# Altium PCB STM32CoreBoard_排针+电源+按键+简牛+LED+OLED+GND_06.PcbDoc
Units mil, origin at the board's own origin, x right, y up, seen from the top; angles counter-clockwise.
Board outline 2320 x 4290 mil, 2 copper layers (Top Layer, Bottom Layer); 64 components, 64 nets, 276 pads, 80 vias.
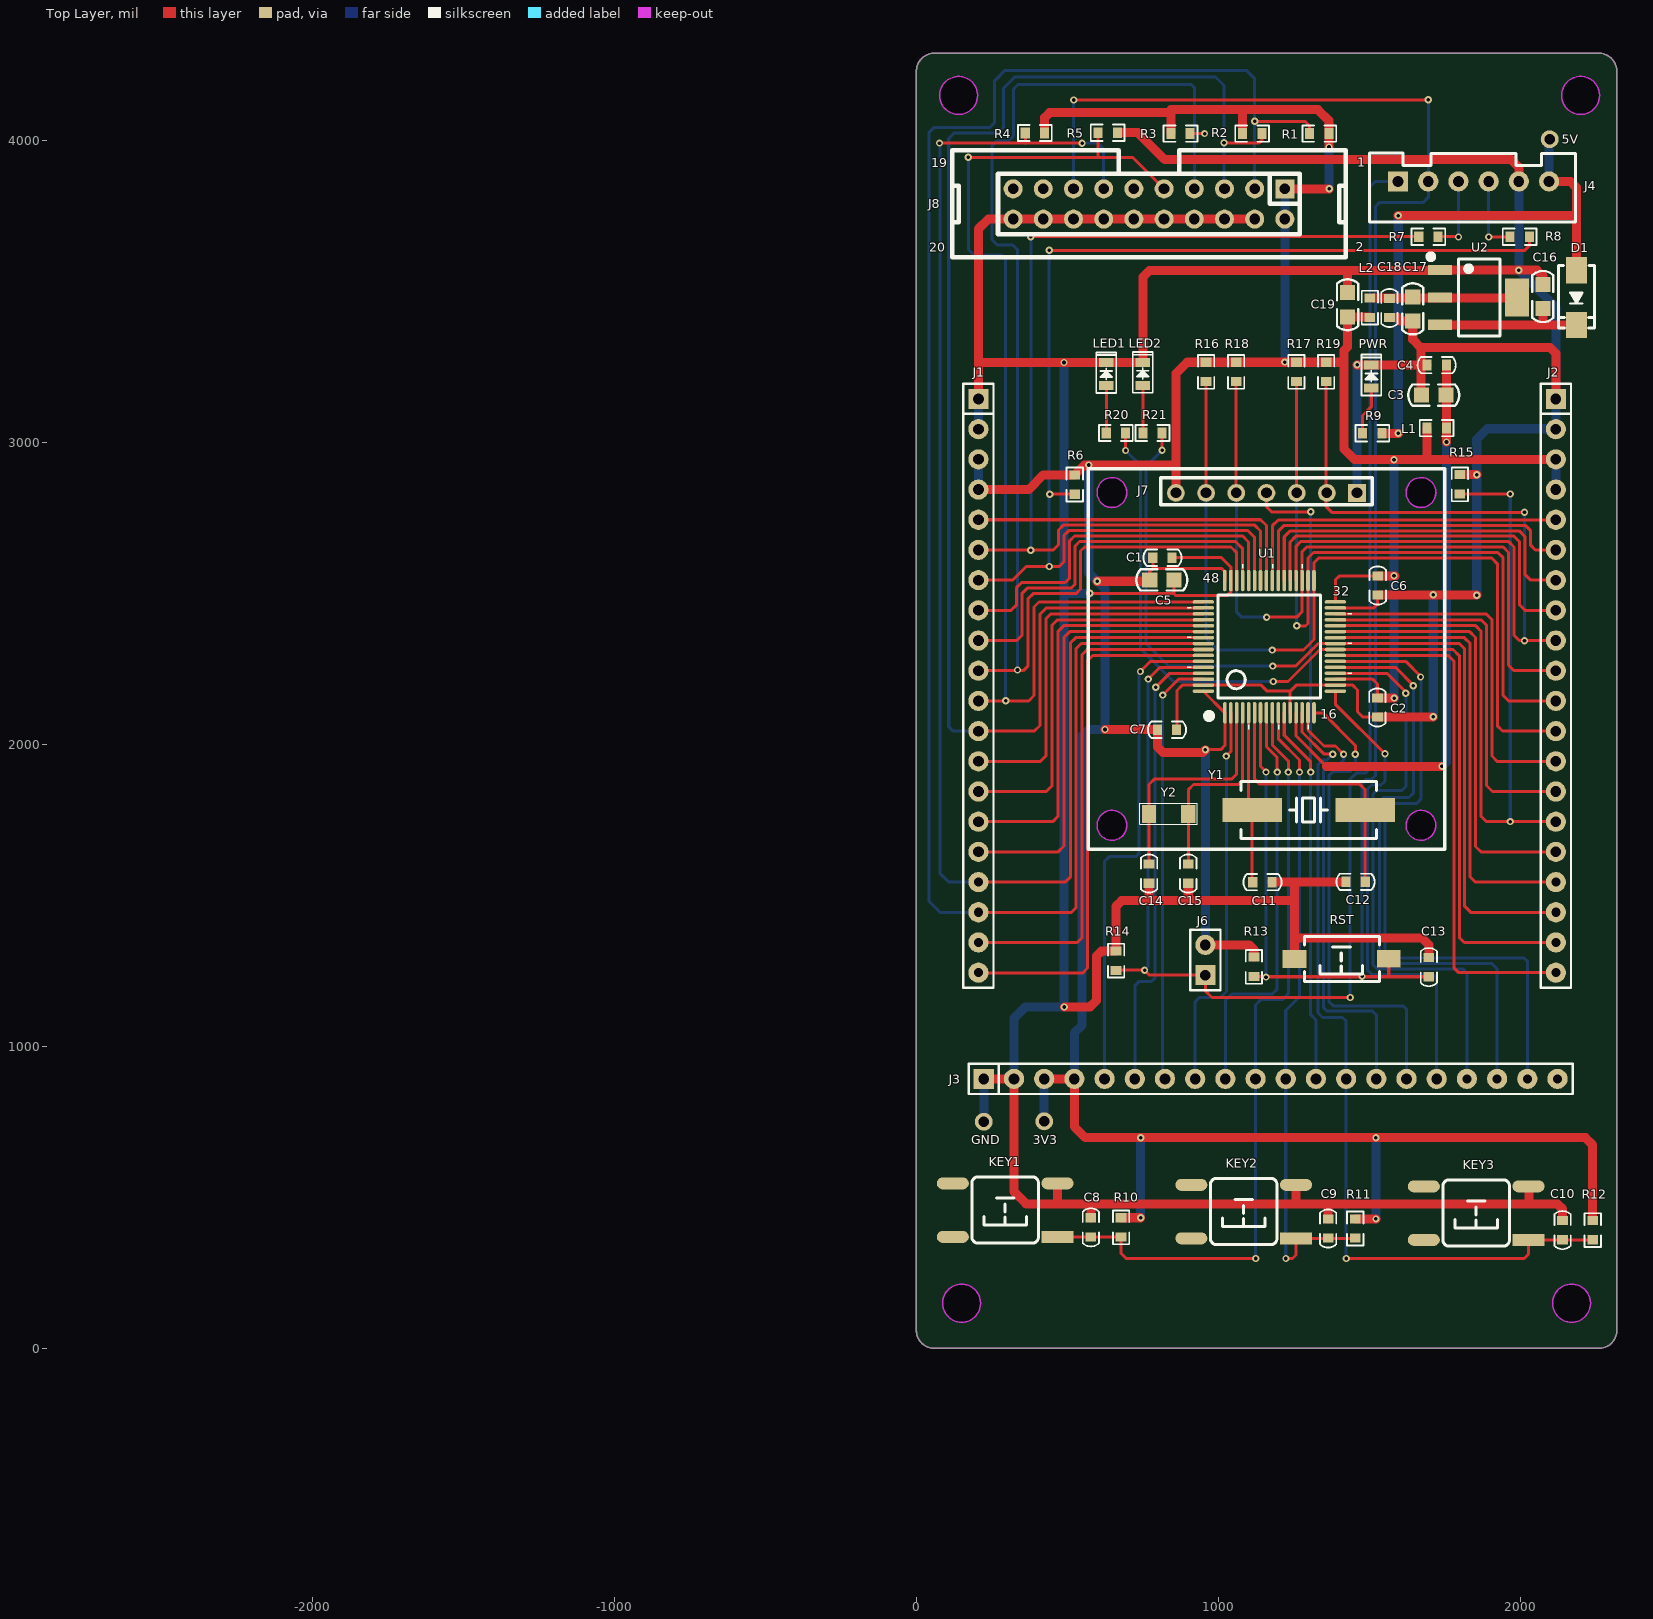
[diagram p0: Top Layer view]
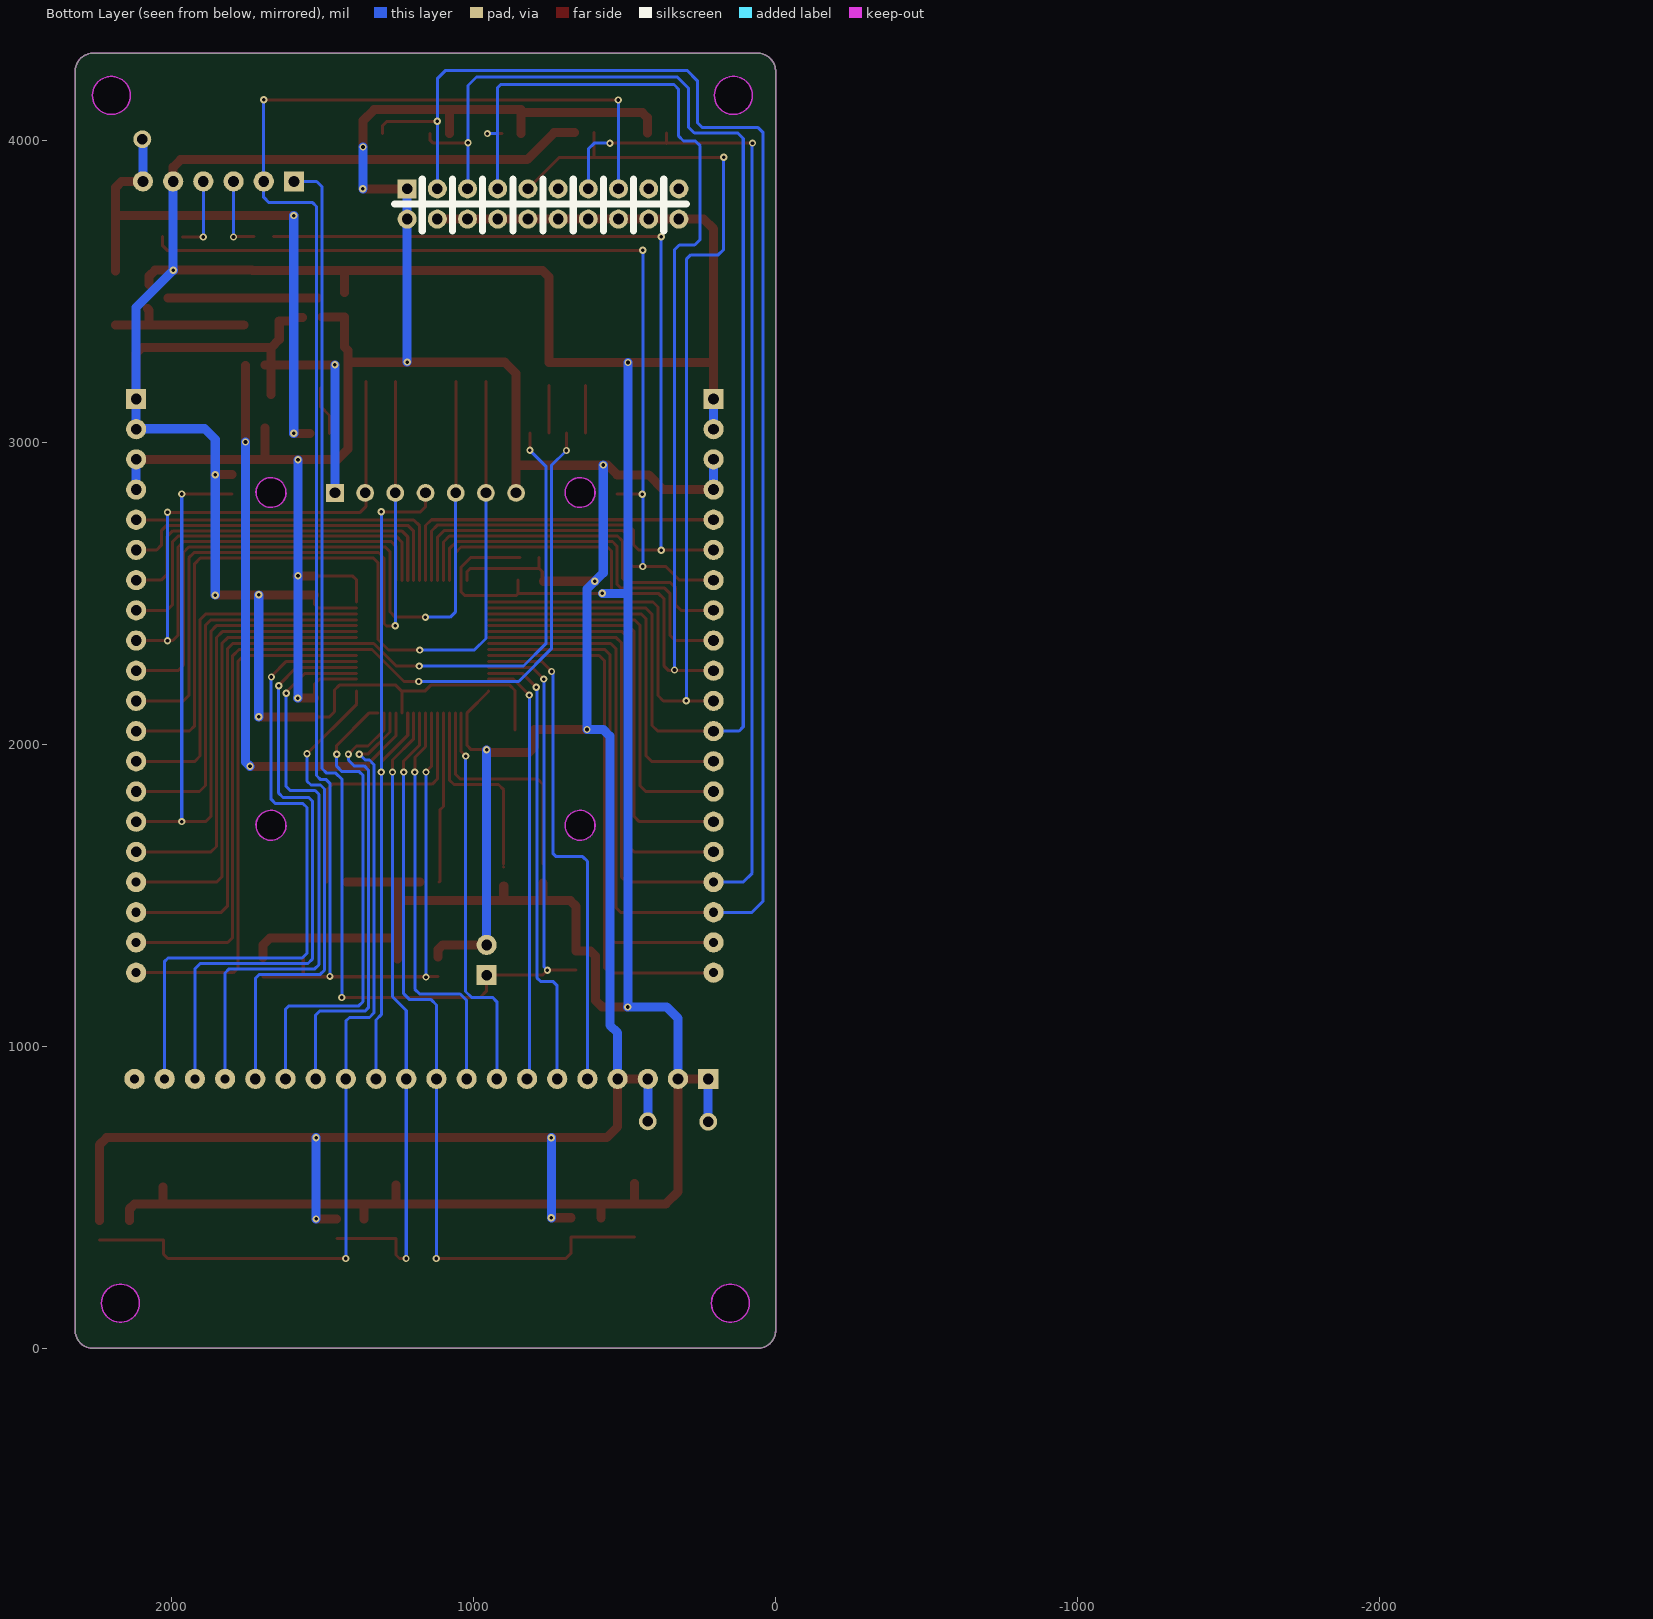
[diagram p1: Bottom Layer view, seen from below]

## Layer stack, top to bottom
Top Solder: solder mask 0.4, Solder Resist, Dk 3.5
Top Layer: signal copper 1.4
Dielectric1: dielectric 12.6, FR-4, Dk 4.8
Bottom Layer: signal copper 1.4
Bottom Solder: solder mask 0.4, Solder Resist, Dk 3.5

## Board outline
0,60 ccw(c59.87,60) 59.87,0.13 59.87,0 2260,0 ccw(c2260,59.87) 2319.87,59.87 2319.87,4230 2320,4230 ccw(c2260.13,4230) 2260.13,4289.87 2260,4290 60,4290 ccw(c60,4230.13) 0.13,4230.13 0,4230.13
cut-out: 87.01,150 ccw(c150,150) 150,87.01 ccw(c150,150) 212.99,150 ccw(c150,150) 150,212.99 ccw(c150,150)
cut-out: 2107.01,150 ccw(c2170,150) 2170,87.01 ccw(c2170,150) 2232.99,150 ccw(c2170,150) 2170,212.99 ccw(c2170,150)
cut-out: 2137.01,4150 ccw(c2200,4150) 2200,4087.01 ccw(c2200,4150) 2262.99,4150 ccw(c2200,4150) 2200,4212.99 ccw(c2200,4150)
cut-out: 140,4087.01 cw(c140,4150) 77.01,4150 cw(c140,4150) 140,4212.99 cw(c140,4150) 202.99,4150 cw(c140,4150)

## Design rules (kind name [scope] priority, off if disabled: settings)
Clearance Clearance_Inpoly [(inpoly)] p1: gap=20
Clearance Clearance_U1 [InComponent('U1')] p2: gap=6
Clearance Clearance_General [All] p3: gap=8
MinimumSolderMaskSliver [All] p1 off: minsoldermaskwidth=10
PolygonConnect [All] p1: connectstyle=Relief reliefconductorwidth=10 reliefentries=4 polygonreliefangle="90 Angle" airgapwidth=10
RoutingVias [All] p1: holewidth=12 width=24 viastyle="Through Hole" minholewidth=12 minwidth=24 maxholewidth=15 maxwidth=30
SilkToSilkClearance [All] p1 off: silktosilkclearance=10
SilkToSolderMaskClearance [IsPad] p1 off: minsilkscreentomaskgap=10 clearancetoexposedcopper=TRUE
SolderMaskExpansion [All] p1: expansion=4
Width [All] p1: maxlimit=30 minlimit=10 preferedwidth=10
27 further rules are at their usual default settings.

## Components (designator, comment, footprint, x,y, rotation, side; value= is the part's Value field where it differs from the comment)
3V3 "TESTPOINT_0.9" TESTPOINT_0.9 423.43,752.17 r90 top
5V "TESTPOINT_0.9" TESTPOINT_0.9 2097.44,4004.92 r90 top
C1 "100nF (104) ±10% 50V SMD0603" "C 0603" 815,2619 r0 top
C2 "100nF (104) ±10% 50V SMD0603" "C 0603" 1527,2123 r270 top
C3 "22uF (226) ±20% 25V SMD0805" "C 0805" 1713.58,3157.48 r180 top
C4 "100nF (104) ±10% 50V SMD0603" "C 0603" 1723.43,3256.89 r180 top
C5 "22uF (226) ±20% 25V SMD0805" "C 0805" 812.99,2545.28 r0 top
C6 "100nF (104) ±10% 50V SMD0603" "C 0603" 1528,2527 r270 top
C7 "100nF (104) ±10% 50V SMD0603" "C 0603" 830,2049 r0 top
C8 "100nF (104) ±10% 50V SMD0603" "C 0603" 578.03,400.98 r90 top
C9 "100nF (104) ±10% 50V SMD0603" "C 0603" 1363.74,397.16 r90 top
C10 "100nF (104) ±10% 50V SMD0603" "C 0603" 2140.08,391.97 r90 top
C11 "22pF (220) ±5% 50V SMD0603" "C 0603" 1146.21,1544.57 r0 top
C12 "22pF (220) ±5% 50V SMD0603" "C 0603" 1454.72,1545.28 r180 top
C13 "100nF (104) ±10% 50V SMD0603" "C 0603" 1697.26,1263.07 r90 top
C14 "10pF (100) ±5% 50V SMD0603" "C 0603" 770.67,1572.83 r270 top
C15 "22pF (220) ±5% 50V SMD0603" "C 0603" 900.59,1572.83 r270 top
C16 "22uF (226) ±20% 25V SMD0805" "C 0805" 2075,3484 r90 top
C17 "22uF (226) ±20% 25V SMD0805" "C 0805" 1644,3443 r270 top
C18 "100nF (104) ±10% 50V SMD0603" "C 0603" 1567,3446 r270 top
C19 "22uF (226) ±20% 25V SMD0805" "C 0805" 1428.15,3456.69 r90 top
D1 "SS210" SMA 2186.02,3480.32 r270 top
GND "TESTPOINT_0.9" TESTPOINT_0.9 223.43,750.99 r90 top
J1 "排针 单排 2.54mm 20P" HDR-1X20 205.71,3144.68 r270 top
J2 "排针 单排 2.54mm 20P" HDR-1X20 2118.11,3144.68 r270 top
J3 "排针 单排 2.54mm 20P" HDR-1X20 223.43,892.72 r0 top
J4 "XH-6P母座" XH2.54-6P 1595.47,3865.16 r0 top locked
J6 "排针 单排 2.54mm 2P" HDR-1x2 957.26,1236.46 r90 top
J7 "OLED母座 单排 2.54mm 7P" "OLED SIP2.54-7P" 1459.65,2833.66 r180 top locked
J8 "简牛 2.54mm 2*10P 直" IDC2.54-20P 1220.47,3840.55 r180 top locked
KEY1 "贴片轻触开关 6*6*6mm" "TSW SMD-6*6*6" 294.1,458.62 r180 top
KEY2 "贴片轻触开关 6*6*6mm" "TSW SMD-6*6*6" 1084.1,453.62 r180 top
KEY3 "贴片轻触开关 6*6*6mm" "TSW SMD-6*6*6" 1854.1,448.62 r180 top
L1 "10uH ±10% SMD0603" "L 0603" 1723.43,3048.23 r180 top
L2 "10uH ±10% SMD0603" "L 0603" 1502,3447 r270 top
LED1 "蓝色发光二极管  SMD0805" "LED 0805B" 629,3226 r90 top (schematic designator LD1)
LED2 "翠绿发光二极管  SMD0805" "LED 0805G" 750,3227 r90 top (schematic designator LD2)
PWR "红色发光二极管  SMD0805" "LED 0805R" 1506.89,3218.5 r90 top
R1 "10KΩ (1002) ±1% SMD0603" "R 0603" 1334.65,4023.62 r180 top
R2 "10KΩ (1002) ±1% SMD0603" "R 0603" 1112.2,4023.62 r0 top
R3 "10KΩ (1002) ±1% SMD0603" "R 0603" 875,4023.62 r0 top
R4 "10KΩ (1002) ±1% SMD0603" "R 0603" 392.72,4025.59 r180 top
R5 "10KΩ (1002) ±1% SMD0603" "R 0603" 633.86,4026.57 r180 top
R6 "10KΩ (1002) ±1% SMD0603" "R 0603" 524.61,2861.22 r270 top
R7 "100Ω (1000) ±1% SMD0603" "R 0603" 1695.87,3682.09 r0 top
R8 "100Ω (1000) ±1% SMD0603" "R 0603" 1998.03,3682.09 r180 top
R9 "1KΩ (1001) ±1% SMD0603" "R 0603" 1510,3031 r180 top
R10 "10KΩ (1002) ±1% SMD0603" "R 0603" 678.03,400.98 r90 top
R11 "10KΩ (1002) ±1% SMD0603" "R 0603" 1453.74,397.16 r90 top
R12 "10KΩ (1002) ±1% SMD0603" "R 0603" 2240.08,391.97 r90 top
R13 "10KΩ (1002) ±1% SMD0603" "R 0603" 1118.26,1264.07 r90 top
R14 "10KΩ (1002) ±1% SMD0603" "R 0603" 661.26,1284.46 r90 top
R15 "10KΩ (1002) ±1% SMD0603" "R 0603" 1800.2,2862.2 r90 top
R16 "10KΩ (1002) ±1% SMD0603" "R 0603" 959.65,3234.25 r270 top
R17 "10KΩ (1002) ±1% SMD0603" "R 0603" 1258.86,3234.25 r270 top
R18 "10KΩ (1002) ±1% SMD0603" "R 0603" 1059.06,3234.25 r270 top
R19 "10KΩ (1002) ±1% SMD0603" "R 0603" 1357.28,3234.25 r270 top
R20 "330Ω (3300) ±1% SMD0603" "R 0603" 661,3032 r180 top
R21 "330Ω (3300) ±1% SMD0603" "R 0603" 782,3032 r180 top
RST "贴片轻触开关 白头 3*6*2.5" "TSW SMD-3*6*2.5" 1407.26,1290.07 r180 top
U1 "STM32F103RCT6" "LQFP64 10x10_N" 1169.29,2325.79 r0 top locked
U2 "AMS1117-3.3" SOT223_N 1864,3481 r270 top
Y1 "贴片晶振 49SMD 8MHz" "XTAL-49S SMD" 1299.21,1783.46 r0 top
Y2 "贴片晶振 SMD3215 32.768KHz" XTAL-3215 835.63,1770.67 r0 top

## Footprints (in the part's own frame and the unit in brackets; to place one, negate y for a bottom-side part, rotate by r counter-clockwise, add the part's x,y. Pads: shape width x height; smd on the part's side, far side on the other; paste and mask are expansions set on the pad)
"C 0603" [mil]
  rect 30x35.43 smd: 1(-32,0) 2(32,0)
  silkscreen extent -63,-27 63,27, body extent -31,-16 32,16, height 12
"C 0805" [mil]
  rrect0% 50x50 smd: 1(-40,0) 2(40,0)
  silkscreen extent -84,-35 84,35, body extent -39,-25 39,25, height 31
HDR-1x2 [mm]
  rect 1.7x1.7 hole 0.9: 1(0,0)
  round 1.7 hole 0.9: 2(2.54,0)
  silkscreen extent -1.27,-1.27 3.81,1.27, body extent -1.27,-1.27 3.81,1.27, height 8.5
HDR-1X20 [mm]
  rect 1.7x1.7 hole 0.9: 1(0,0)
  round 1.7 hole 0.9: 2(2.54,0) 3(5.08,0) 4(7.62,0) 5(10.16,0) 6(12.7,0) 7(15.24,0) 8(17.78,0) 9(20.32,0) 10(22.86,0) 11(25.4,0) 12(27.94,0) 13(30.48,0) 14(33.02,0) 15(35.56,0) 16(38.1,0)
  round 1.7 hole 0.762: 17(40.64,0) 18(43.18,0) 19(45.72,0) 20(48.26,0)
  silkscreen extent -1.27,-1.27 49.53,1.27, body extent -1.27,-1.27 49.53,1.27, height 8.5
IDC2.54-20P [mm]
  rect 1.6x1.6 hole 0.9: 1(0,0)
  round 1.6 hole 0.9: 2(0,2.54) 3(2.54,0) 4(2.54,2.54) 5(5.08,0) 6(5.08,2.54) 7(7.62,0) 8(7.62,2.54) 9(10.16,0) 10(10.16,2.54) 11(12.7,0) 12(12.7,2.54) 13(15.24,0) 14(15.24,2.54) 15(17.78,0) 16(17.78,2.54) 17(20.32,0) 18(20.32,2.54) 19(22.86,0) 20(22.86,2.54)
  silkscreen extent -5.11,-3.23 27.97,5.77, body extent -5.08,-3.08 27.94,5.77, height 9.17
"L 0603" [mil]
  rect 30x35.43 smd: 1(-32,0) 2(32,0)
  silkscreen extent -56,-27 56,27, body extent -31,-18 31,18, height 31
"LED 0805B" [mil]
  rect 30x47.24 smd: 1(-37,0) 2(39,0)
  silkscreen extent -62,-33 73,33, body extent -38,-25 40,24, height 32
"LED 0805G" [mil]
  rect 30x47.24 smd: 1(-37,0) 2(39,0)
  silkscreen extent -62,-33 73,33, body extent -37,-24 41,25, height 32
"LED 0805R" [mil]
  rect 30x47.24 smd: 1(-37,0) 2(39,0)
  silkscreen extent -62,-33 73,33, body extent -38,-24 40,25, height 32
"LQFP64 10x10_N" [mm]
  oval 0.3x1.8 smd: 1(-3.75,-5.601) 2(-3.25,-5.601) 3(-2.75,-5.601) 4(-2.25,-5.601) 5(-1.75,-5.601) 6(-1.25,-5.601) 7(-0.75,-5.601) 8(-0.25,-5.601) 9(0.25,-5.601) 10(0.75,-5.601) 11(1.25,-5.601) 12(1.75,-5.601) 13(2.25,-5.601) 14(2.75,-5.601) 15(3.25,-5.601) 16(3.75,-5.601) 33(3.75,5.525) 34(3.25,5.525) 35(2.75,5.525) 36(2.25,5.525) 37(1.75,5.525) 38(1.25,5.525) 39(0.75,5.525) 40(0.25,5.525) 41(-0.25,5.525) 42(-0.75,5.525) 43(-1.25,5.525) 44(-1.75,5.525) 45(-2.25,5.525) 46(-2.75,5.525) 47(-3.25,5.525) 48(-3.75,5.525)
  oval 1.8x0.3 smd: 17(5.55,-3.775) 18(5.55,-3.275) 19(5.55,-2.775) 20(5.55,-2.275) 21(5.55,-1.775) 22(5.55,-1.275) 23(5.55,-0.775) 24(5.55,-0.275) 25(5.55,0.225) 26(5.55,0.725) 27(5.55,1.225) 28(5.55,1.725) 29(5.55,2.225) 30(5.55,2.725) 31(5.55,3.225) 32(5.55,3.725) 49(-5.55,3.725) 50(-5.55,3.225) 51(-5.55,2.725) 52(-5.55,2.225) 53(-5.55,1.725) 54(-5.55,1.225) 55(-5.55,0.725) 56(-5.55,0.225) 57(-5.55,-0.275) 58(-5.55,-0.775) 59(-5.55,-1.275) 60(-5.55,-1.775) 61(-5.55,-2.275) 62(-5.55,-2.775) 63(-5.55,-3.275) 64(-5.55,-3.775)
  silkscreen extent -6.93,-6.98 6.93,6.93, body extent -6,-6.03 6,5.98, height 1.45
"OLED SIP2.54-7P" [mm]
  rect 1.5x1.5 hole 0.9: 1(0,0)
  round 1.5 hole 0.9: 2(2.54,0) 3(5.08,0) 4(7.62,0) 5(10.16,0) 6(12.7,0) 7(15.24,0)
  Keep-Out Layer circle w0.127: c20.62,27.968 r1.26
  Keep-Out Layer circle w0.127: c-5.38,27.968 r1.26
  Keep-Out Layer circle w0.127: c-5.38,-0.032 r1.26
  Keep-Out Layer circle w0.127: c20.62,-0.032 r1.26
  Keep-Out Layer board cut-out: -5.365,1.235 -5.691,1.192 -5.995,1.066 -6.256,0.866 -6.457,0.605 -6.583,0.301 -6.626,-0.025 -6.615,-0.025 -6.651,-0.031 -6.608,-0.357 -6.482,-0.661 -6.281,-0.922 -6.02,-1.122 -5.716,-1.248 -5.39,-1.291 -5.39,-1.281 -5.38,-1.291 -5.053,-1.248 -4.749,-1.122 -4.488,-0.922 -4.288,-0.661 -4.162,-0.357 -4.119,-0.031 -4.13,-0.031 -4.105,-0.025 -4.104,-0.025 -4.147,0.301 -4.273,0.605 -4.473,0.866 -4.734,1.066 -5.038,1.192
  Keep-Out Layer board cut-out: -5.365,29.226 -5.691,29.183 -5.995,29.057 -6.256,28.857 -6.457,28.596 -6.583,28.292 -6.626,27.965 -6.615,27.965 -6.651,27.96 -6.608,27.634 -6.482,27.33 -6.281,27.069 -6.02,26.868 -5.716,26.742 -5.39,26.699 -5.39,26.71 -5.38,26.699 -5.053,26.742 -4.749,26.868 -4.488,27.069 -4.288,27.33 -4.162,27.634 -4.119,27.96 -4.13,27.96 -4.105,27.965 -4.104,27.965 -4.147,28.292 -4.273,28.596 -4.473,28.857 -4.734,29.057 -5.038,29.183
  Keep-Out Layer board cut-out: 20.645,29.226 20.318,29.183 20.014,29.057 19.753,28.857 19.553,28.596 19.427,28.292 19.384,27.965 19.395,27.965 19.359,27.96 19.402,27.634 19.528,27.33 19.728,27.069 19.989,26.868 20.293,26.742 20.62,26.699 20.62,26.71 20.63,26.699 20.956,26.742 21.26,26.868 21.521,27.069 21.722,27.33 21.848,27.634 21.891,27.96 21.88,27.96 21.905,27.965 21.906,27.965 21.863,28.292 21.737,28.596 21.536,28.857 21.275,29.057 20.971,29.183
  Keep-Out Layer board cut-out: 20.645,1.235 20.318,1.192 20.014,1.066 19.753,0.866 19.553,0.605 19.427,0.301 19.384,-0.025 19.395,-0.025 19.359,-0.031 19.402,-0.357 19.528,-0.661 19.728,-0.922 19.989,-1.122 20.293,-1.248 20.62,-1.291 20.62,-1.281 20.63,-1.291 20.956,-1.248 21.26,-1.122 21.521,-0.922 21.722,-0.661 21.848,-0.357 21.891,-0.031 21.88,-0.031 21.905,-0.025 21.906,-0.025 21.863,0.301 21.737,0.605 21.536,0.866 21.275,1.066 20.971,1.192
  silkscreen extent -7.38,-2.03 22.62,29.97, body extent -1.27,-1.4 16.51,1.14, height 8.5
"R 0603" [mil]
  rect 30x35.43 smd: 1(-32,0) 2(32,0)
  silkscreen extent -56,-27 56,27, body extent -31,-16 32,16, height 12
SMA [mm]
  rect 2.2x1.75 smd: 1(-2.3,0) 2(2.3,0)
  silkscreen extent -2.7,-1.52 2.54,1.52, body extent -2.53,-1.3 2.57,1.3, height 2.15
SOT223_N [mm]
  rect 0.85x2 smd: 1(-2.3,-3.302) 2(0,-3.302) 3(2.3,-3.302)
  rect 3.2x2 smd: 2(0,3.175)
  silkscreen extent -3.63,-4.26 3.25,1.75, body extent -3.25,-3.51 3.25,3.51, height 1.65
TESTPOINT_0.9 [mm] "测试点"
  round 1.5 hole 0.9: 1(0,0)
"TSW SMD-3*6*2.5" [mm]
  rect 2x1.5 smd: 1(-3.996,-0.02) 2(3.937,0)
  silkscreen extent -3.21,-1.9 3.09,1.9, body extent -4,-1.88 4,1.62, height 2.59
"TSW SMD-6*6*6" [mm]
  rect 2.7x1 smd: 1(-4.4,2.261)
  oval 2.7x1 smd: 2(-4.4,-2.239) 3(4.4,-2.239) 4(4.4,2.261)
  silkscreen extent -2.79,-2.79 2.79,2.79, body extent -4.5,-3 4.5,3, height 5.95
XH2.54-6P [mm]
  rect 1.7x1.7 hole 0.9: 1(0,0)
  round 1.7 hole 0.9: 2(2.54,0) 3(5.08,0) 4(7.62,0) 5(10.16,0) 6(12.7,0)
  silkscreen extent -2.39,-3.43 14.91,2.39, body extent -2.5,-3.3 15.2,2.4, height 7.03
"XTAL-49S SMD" [mm]
  rect 5x2 smd: 1(-4.75,0) 2(4.75,0)
  silkscreen extent -5.7,-2.4 5.7,2.4, body extent -6.7,-2.46 6.7,2.44, height 4
XTAL-3215 [mm]
  rect 1.2x1.5 smd: 1(-1.65,0) 2(1.65,0)
  silkscreen extent -2.41,-0.89 2.41,0.89, body extent -1.6,-0.75 1.6,0.75, height 0.81

## Part data
3V3 5V GND: "TESTPOINT_0.9，测试点0.9mm，不需焊接"
C1 C2 C4 C6 C7 C8 C9 C10 C13 C18: "贴片电容，100nF/50V，±10%，SMD0603，YAGEO（国巨），CC0603KRX7R9BB104"
C3 C5 C16 C17 C19: "贴片电容，22uF/25V，±20%，SMD0805，SAMSUNG(三星)，CL21A226MAQNNNE"
C11 C12 C15: "贴片电容，22pF/50V，±5%，SMD0603，SAMSUNG(三星)，CL10C220JB8NNNC"
C14: "贴片电容，10pF/50V，±5%，SMD0603，SAMSUNG(三星)，CL10C100JB8NNNC"
D1: "肖特基二极管，SS210，100V/2A，SMA(DO-214AC)，星海，SS210"
J1 J2 J3: "排针，单排，2.54mm，20P，国产"
J4: "XH-6A，脚距2.54mm，直针带锁，国产"
J6: "排针，单排，2.54mm，2P，国产"
J7: "OLED母座，单排，2.54mm，7P"
J8: "简牛，2.54mm，2*10P，直，国产"
KEY1 KEY2 KEY3: "贴片轻触开，6*6*6mm，SMD/6*6*6"
L1 L2: "贴片电感，10uH，±10%，SMD0603，Sunlord(顺络)，SDFL1608S100KTF"
LED1: "蓝色发光二极管，SMD0805，国星光电，FC-A2012BK-470H2"
LED2: "翠绿发光二极管 ，SMD0805，国产，0805G (翠绿)"
PWR: "红色发光二极管，SMD0805，国星光电 ，FC-2012HRK-620D"
R1 R2 R3 R4 R5 R6 R10 R11 R12 R13 R14 R15 R16 R17 R18 R19: "贴片电阻，10KΩ，±1%，SMD0603，UniOhm台湾厚声（授权代理），0603WAF1002T5E"
R7 R8: "贴片电阻，100Ω， ±1% ，SMD0603，UniOhm台湾厚声（授权代理），0603WAF1000T5E"
R9: "贴片电阻，1KΩ，±1%，SMD0603，UniOhm台湾厚声（授权代理），0603F1001T5E"
R20 R21: "贴片电阻，330Ω，±1%，SMD0603，UniOhm台湾厚声（授权代理），0603WAF3300T5E"
RST: "贴片轻触开关，  白头，  3*6*2.5，SMD/3*6*2.5"
U1: "微控制器，LQFP64，ST(意法半导体)，STM32F103RCT6"
U2: "低压差线性稳压(LDO)，AMS1117-3.3，1117-3.3，美国AMS，AMS1117-3.3"
Y1: "贴片晶振，49SMD， 8MHz，HC-49SMD，YXC"
Y2: "贴片晶振，SMD3215，32.768KHz，EPSON(爱普生)，Q13FC1350000400"

## Via types
v1: diameter 24, hole 12, Top Layer to Bottom Layer, tented both sides, 80 vias

## Nets (pads, with @x,y where several pads share a name; then routed paths per layer and width w, separated by ;. In a path a pad name is that pad's centre, name@x,y a point inside that pad or via, vN(x,y) a via of type N, cw(c..) or ccw(c..) an arc to the next point about the centre after c; other vN are vias at no path point)
3V3: 3V3.1 C1.1 C2.1 C5.1 C6.1 C7.1 C19.1 J1.3 J1.4 J2.3 J2.4 J3.3 J3.4 J6.2 J7.7 J8.1 J8.2 L1.2 L2.2 R1.1 R2.1 R3.1 R4.1 R6.1 R10.2 R11.2 R12.2 R13.2 R16.1 R17.1 R18.1 R19.1 U1.1 U1.19 U1.32 U1.48 U1.64 | length 13845.3
  Top Layer w10: C5.1 773,2573 783.28,2583.28 ; C1.1 783.28,2618.73 783.28,2583.28 ; U1.64 950.79,2176.15 U1.1 1021.65,1996.65 1008.29,1983.29 v1@957.81,1983.29 ; U1.48 1021.65,2573.35 1011.72,2583.28 783.28,2583.28 ; U1.19 1511.48,2216.52 1527,2201 C2.1 ; U1.32 1387.8,2544.8 1402,2559 C6.1
  Top Layer w30: J1.4 372.24,2844.68 420.78,2893.22 R6.1 556.58,2925.2 858,2925.2 ; J3.3 J3.4 523.43,734.57 560,698 v1(743,698) v1(1522,698) 2216,698 2240.08,673.92 R12.2 ; R4.1 424.72,4076.29 441.43,4093 843,4093 R3.1 ; v1(599,2541) C5.1@768.72,2541 ; v1(625,2050) C7.1@798,2050 ; R10.2 v1(742.98,432.98) ; C7.1 798,1993 817.71,1973.29 947.81,1973.29 v1(957.26,1982.74) ; 843,4103 1080.2,4103 ; J7.7 859.65,3228.65 897.25,3266.25 R16.1 R18.1 R17.1 R19.1 1415.25,3266.25 1416,3267 ; J6.2 1102.54,1336.46 1118.26,1320.74 R13.2 ; R2.1 1080.2,4103 ; J8.1@1218.5,3840.55 1219.76,3839.61 J8.1@1226.38,3834.65 ; J8.1 v1(1367.13,3840.55) ; v1(1366.65,3979.33) R1.1 1366.65,4066.37 1330.02,4103 1080.2,4103 ; R11.2 v1(1522,429.16) ; L2.2@1502,3416.82 1428.27,3416.82 1428.27,3317.27 1416,3305 1416,3267 ; C2.1 v1@1582,2155 ; C6.1 v1@1586,2559 ; 1691.43,2945.19 L1.2 ; J2.3 1451,2944.68 1416,2979.68 1416,3267
  Bottom Layer w30: J1.4 J1.3 ; 3V3.1 J3.3 ; J3.4 523.43,1045.43 549,1071 549,2028 571,2050 v1(625,2050) 625,2515 v1(599,2541) 571,2569 v1(571,2926) ; v1(742.98,432.98) v1(743,698) ; J6.2 v1(957.26,1982.74) ; v1(1220.47,3266.73) J8.2 J8.1 ; v1@1366.65,3841.03 v1(1366.65,3979.33) ; v1(1522,429.16) v1(1522,698) ; v1(1582,2943) v1(1582,2559) 1582,2155 v1(1583,2154) ; J2.4 J2.3
5V: 5V.1 D1.1 J4.6 R9.1 | length 1877.8
  Top Layer w30: R9.1 v1(1596,3031) ; v1(1596,3752) 2186,3752 ; J4.6 2165.84,3865.16 2186,3845 2186,3752 ; D1.1@2186,3568.9 2186,3752
  Bottom Layer w30: v1(1596,3031) v1(1596,3752) ; J4.6 5V.1@2095.47,4002.95
BOOT0: J4.1 J6.1 R14.1 U1.60 | length 4841.6
  Top Layer w10: R14.1@661.8,1253 v1(756,1253) 772.54,1236.46 J6.1 957.26,1184.54 979.4,1162.4 v1(1437.01,1162.4) ; v1(768,2217) 806.89,2255.89 U1.60
  Bottom Layer w10: v1(756,1253) 768,1265 v1(768,2217) ; v1(1437.01,1162.4) 1437.01,1885.96 1456.56,1905.51 1487.2,1905.51 1502.17,1920.48 1502.17,2868.57 1502,2868.75 1502,3847 1520.16,3865.16 J4.1
GND: C1.2 C2.2 C3.2 C4.2 C5.2 C6.2 C7.2 C8.2 C9.2 C10.2 C11.2 C12.2 C13.2 C14.2 C15.2 C16.2 C17.2 C18.2 C19.2 GND.1 J1.1 J1.2 J2.1 J2.2 J3.1 J3.2 J4.5 J7.1 J8.4 J8.6 J8.8 J8.10 J8.12 J8.14 J8.16 J8.18 J8.20 KEY1.2 KEY2.2 KEY3.2 LED1.2 LED2.2 PWR.2 R5.1 R14.2 R15.2 RST.2 U1.12 U1.18 U1.31 U1.47 U1.63 U2.1 | length 19026.3
  Top Layer w10: v1@574,2500 853,2500 ; C1.2 1010.58,2619 1041.34,2588.24 1041.34,2505.34 1029,2493 860,2493 853,2500 ; C5.2 853,2500 ; C7.2@863,2049 863,2179 880.83,2196.83 1142.17,2196.83 1162,2177 1238.19,2177 ; U1.12 1238.19,2177 ; U1.31 1514.74,2452.74 1528,2466 C6.2 ; C2.2 1479,2091 1461,2109 1461,2181 1445.17,2196.83 1258.02,2196.83 1238.19,2177
  Top Layer w30: J1.1 205.71,3707.71 238.55,3740.55 J8.20 J8.18 J8.16 J8.14 J8.12 J8.10 J8.8 J8.6 J8.4 ; 207,3265.38 v1(489,3265.38) LED2.2@750,3265.38 ; J3.1 J3.2 323.43,519.57 364,479 2029,479 ; 467.32,480.68 KEY1.2 ; v1(490.16,1131) 575,1131 596.21,1152.21 596.21,1299.21 613.46,1316.46 R14.2 661.26,1464.41 679.85,1483 769.68,1483 ; C8.2 578.03,478.03 ; R5.1 734,4026.57 823,3937.57 1970.43,3937.57 1995.47,3912.53 J4.5 ; LED2.2 750,3548 771.88,3569.88 1428.15,3569.88 ; C14.2 770.67,1483.99 769.68,1483 ; 900.59,1484.41 C15.2@900.59,1530.99 ; C11.2 C12.2@1422.02,1544.57 ; RST.2 1252.26,1543.31 ; 1252.26,1359 1675,1359 1697.26,1336.74 C13.2 ; 1252.26,1483 769.68,1483 ; 1257.32,479.32 KEY2.2 ; C9.2 1363.74,478.74 ; C19.2 1428.15,3569.88 ; v1(1459.65,3257.65) PWR.2@1506.03,3257.65 ; PWR.2 1668.76,3257.5 ; C2.2 v1@1711,2091 ; C6.2 v1(1856,2495) ; C18.2 1593,3414 1604,3403 C17.2 1644,3342.26 1671.26,3315 ; C3.2@1671.26,3159.79 1671.26,3255 ; C4.2 1673.15,3256.89 1671.26,3255 ; R15.2 1855.8,2894.2 v1(1856,2894) ; KEY3.2@2029,535.11 2029,479 ; C16.2 2075,3552 2055.45,3571.55 U2.1 1732.33,3569.88 1428.15,3569.88 ; J2.1 2118.11,3295.89 2099,3315 1671.26,3315 ; C10.2 2140.08,461.92 2123,479 2029,479 ; 1671.26,3255 1671.26,3315
  Bottom Layer w30: J1.2 J1.1 ; GND.1 J3.1 ; J3.2 323.43,1093.43 361,1131 v1(490.16,1131) ; v1@489,1131.89 v1(489,3265.38) ; 492,2501 v1(574,2501) ; J7.1 v1(1459.65,3257.65) ; v1(1712,2092) v1(1712,2496) ; v1(1856,2495) v1(1856,2894) 1856,3011 1891,3046 2116.8,3046 J2.2 J2.1 2118.11,3447.89 v1(1995,3571) ; v1@1995.47,3571.47 J4.5
I2C1_SCL: J1.20 U1.58 | length 1771.4
  Top Layer w10: J1.20@214.17,1236.22 221.06,1243.11 550.2,1243.11 567.21,1260.13 567.21,2277.84 584.63,2295.26 U1.58
I2C1_SDA: J3.5 U1.59 | length 1672.6
  Top Layer w10: v1(742,2242) 775.57,2275.57 U1.59
  Bottom Layer w10: J3.5 623.43,1613.43 639,1629 727,1629 738,1640 738,2238 v1(742,2242)
JTCK: J1.11 J8.9 R5.2 U1.49 | length 3730.6
  Top Layer w10: v1(172.13,3945.01) 586.87,3944.87 602,3944.87 ; J1.11 372.05,2144.68 389.76,2162.4 389.76,2455.71 406.48,2472.43 U1.49 ; R5.2 601.86,3945.01 602,3944.87 ; J8.9 716.15,3944.87 602,3944.87
  Bottom Layer w10: v1(172.13,3945.01) 172.13,3639.87 190,3622 281,3622 296,3607 v1(296,2145)
JTDI: J1.12 J8.5 R2.2 U1.50 | length 4760.5
  Top Layer w10: J1.12 390.68,2044.68 409.45,2063.45 409.45,2432.09 430.1,2452.74 U1.50 ; v1(1018.91,3992.91) 1135.62,3992.91 1144.2,4001.49 R2.2
  Bottom Layer w10: J1.12 205.39,2045 121,2045 107.31,2058.68 107.31,4007.32 125.31,4025.31 269.31,4025.31 288.59,4044.59 288.59,4174 325.59,4211 990.91,4211 1018.91,4183 v1(1018.91,3992.91) 1018.91,3842.53 1018.7,3842.32 J8.5
JTDO: J1.17 J8.13 R4.2 U1.55 | length 4811.6
  Top Layer w10: v1@76.77,3991.14 77.63,3992 v1(549,3992) ; J1.17 493.5,1544.68 509.84,1561.02 509.84,2336.61 527.54,2354.32 U1.55 ; 360.72,3991.14 R4.2
  Bottom Layer w10: v1@77.76,3992.19 77.76,1574 107.07,1544.68 J1.17 ; v1(549,3992) 601,3992 620.47,3972.53 J8.13
  other v1: 76.77,3992.19
JTMS: J1.10 J8.7 R3.2 U1.46 | length 4397.5
  Top Layer w10: J1.10 353.94,2244.68 369.09,2259.84 369.09,2482.09 387,2500 529,2500 544,2515 544,2641 557.68,2654.68 1042.17,2654.68 1061.02,2635.83 U1.46 ; R3.2 v1(954.72,4023.62)
  Bottom Layer w10: v1(335,2247) 335,3639 319,3655 268,3655 250,3673 250,3983 266,3999 305,3999 321,4015 321,4170 337,4186 910.47,4186 920.47,4176 920.47,4023.62 ; J8.7 920.47,4023.62 ; v1(954.72,4023.62) 920.47,4023.62
JTRST: J1.18 J8.3 R1.2 U1.56 | length 6176.2
  Top Layer w10: J1.18 513.58,1444.68 529.53,1460.63 529.53,2317.91 546.24,2334.63 U1.56 ; v1(1120.47,4064.37) 1287.01,4064.37 1302.65,4048.73 R1.2
  Bottom Layer w10: J1.18 78.65,1444.68 41.34,1482 41.34,4026.57 58.07,4043.31 242.13,4043.31 259.25,4060.43 259.25,4199 293.25,4233 1093,4233 1120.47,4205.53 v1(1120.47,4064.37) J8.3
KEY1: C8.1 J3.10 KEY1.1 R10.1 U1.9 | length 2633.4
  Top Layer w10: KEY1.1 R10.1@677.39,369.62 ; R10.1 678.03,314.97 695,298 v1(1124,298) ; U1.9 1179.13,1998.87 1232,1946 v1(1232,1909)
  Bottom Layer w10: v1@1123.43,297.43 J3.10 1123.43,1137.43 1141,1155 1212,1155 1232,1175 v1(1232,1909)
KEY2: C9.1 J3.11 KEY2.1 R11.1 U1.10 | length 2144.4
  Top Layer w10: U1.10 1198.82,2019.18 1269,1949 v1(1269,1909) ; v1(1224,298) 1246,298 1257.32,309.32 KEY2.1 R11.1@1453.21,364.62
  Bottom Layer w10: v1@1223.43,298 J3.11 1223.43,1119.43 1269,1165 v1(1269,1909)
KEY3: C10.1 J3.13 KEY3.1 R12.1 U1.14 | length 2839.9
  Top Layer w10: U1.14 1277.56,2041.44 1350.79,1968.21 v1(1379,1968.21) ; v1(1424,298) 2013,298 2027.32,312.32 KEY3.1 R12.1@2239.74,359.62
  Bottom Layer w10: v1(1379,1968.21) 1359.61,1948.82 1345.47,1948.82 1331,1934.35 1331,1110.93 1345.47,1096.46 1411.42,1096.46 1423.43,1084.45 J3.13 v1@1423.43,298
LED1: J2.19 R20.1 U1.24 | length 3136.9
  Top Layer w10: v1(693,2974) R20.1 ; v1(1182,2209) 1231,2209 1336.94,2314.94 1777.57,2314.94 1798.21,2294.31 1798.21,1361.24 1814.76,1344.68 J2.19
  Bottom Layer w10: v1(693,2974) 743,2924 743,2317 851,2209 v1@1171,2209
LED2: J2.18 R21.1 U1.25 | length 2996.6
  Top Layer w10: v1(814,2975) R21.1 ; v1(1180,2260) 1256.54,2260 1331.17,2334.63 1798.24,2334.63 1816.21,2316.66 1816.21,1464.3 1835.83,1444.68 J2.18
  Bottom Layer w10: v1(814,2975) 761,2922 761,2334 835,2260 v1@1170,2260
NetC3_1: C3.1 C4.1 L1.1 U1.13 | length 1935.3
  Top Layer w10: U1.13 1257.87,2028.13 1358,1928
  Top Layer w30: 1358,1928 v1(1741,1928) ; v1@1755.43,3001.57 L1.1 C4.1@1755.43,3254.92
  Bottom Layer w30: v1(1741,1928) 1756,1943 v1(1756,3002)
NetC16_1: C16.1 D1.2 U2.3 | length 481
  Top Layer w30: U2.3@1761.73,3389.76 2075,3389.76 ; C16.1@2081.07,3444 2075,3437.93 2075,3389.76 ; D1.2 2075,3389.76
NetC17_1: C17.1 C18.1 L2.1 U2.2 | length 495.6
  Top Layer w30: L2.1@1516.25,3479.33 1756.81,3479.33 U2.2@2011.81,3479.33
NetLED1_1: LED1.1 R20.2 | length 157
  Top Layer w10: R20.2 LED1.1
NetLED2_1: LED2.1 R21.2 | length 158
  Top Layer w10: R21.2 LED2.1
NetPWR_1: PWR.1 R9.2 | length 162.5
  Top Layer w10: R9.2 1478,3090 1506.89,3118.89 PWR.1
NRST: C13.1 J4.2 J8.15 R13.1 RST.1 U1.7 | length 6081.2
  Top Layer w10: v1(521,4135) 1694.94,4135 v1(1695.47,4135.53) ; R13.1 1155.93,1232.07 1156.93,1231.07 1564.57,1231.07 ; U1.7 1139.76,1928.24 v1@1158,1910 ; RST.1 1564.57,1231.07 ; C13.1 1564.57,1231.07
  Bottom Layer w10: J8.15 521,3841.08 v1(521,4135) ; v1(1158,1230) v1@1158,1910 ; v1(1476.38,1232.28) 1476.38,1872.05 1488.19,1883.86 1506.89,1883.86 1520.67,1897.64 1520.67,3782.48 1533.19,3795 1678,3795 1695.47,3812.47 J4.2 v1(1695.47,4135.53)
  other v1: 1158,1909
OLED_CS: J2.12 J7.6 R16.2 U1.33 | length 2844
  Top Layer w10: J7.6 R16.2 ; v1(1179,2313) 1282,2313 1316.93,2347.93 1316.93,2602.36 1332.66,2618.09 1905.53,2618.09 1924.21,2599.41 1924.21,2062.01 1941.54,2044.68 J2.12
  Bottom Layer w10: J7.6 959.65,2351.35 998,2313 v1@1170,2313
OLED_DC: J3.12 J7.4 U1.11 | length 2317.5
  Top Layer w10: J7.4 1159.65,2787.35 1176,2771 v1(1306,2771) ; U1.11 1218.5,2030.5 1306,1943 v1(1306,1909)
  Bottom Layer w10: v1(1306,2771) v1(1306,1909) 1306,1105.42 1323.43,1087.99 J3.12
OLED_DIN: J2.9 J7.2 R19.2 U1.36 | length 2795.1
  Top Layer w10: U1.36 1257.87,2657.33 1272.64,2672.09 1961.76,2672.09 1979.46,2654.39 1979.46,2362.07 1996.85,2344.68 J2.9 ; R19.2 1357.28,2787.97 1376,2769.25 v1(2014.25,2769.25)
  Bottom Layer w10: J7.2@1357.28,2836.02 J7.2 ; v1(2014.25,2343.75) v1(2014.25,2769.25)
OLED_RES: J2.10 J7.5 R18.2 U1.35 | length 2419.1
  Top Layer w10: R18.2 1059.06,2834.25 J7.5 ; v1@1170,2422 1260,2422 1277.56,2439.56 1277.56,2638.78 1292.87,2654.09 1943.35,2654.09 1961.46,2635.98 1961.46,2262.94 1979.72,2244.68 J2.10
  Bottom Layer w10: J7.5 1059.65,2440.35 1078,2422 v1(1160,2422)
OLED_SCK: J2.11 J7.3 R17.2 U1.34 | length 2365.6
  Top Layer w10: R17.2 1258.86,2834.45 J7.3 ; v1@1260,2393 1289,2393 1297.24,2401.24 1297.24,2618.11 1315.23,2636.09 1925.91,2636.09 1943.46,2618.54 1943.46,2162.83 1961.61,2144.68 J2.11
  Bottom Layer w10: v1(1259.65,2393.35) J7.3
OSC32_IN: C14.1 U1.3 Y2.1 | length 770.6
  Top Layer w10: C14.1 Y2.1 770.67,1868.11 788.18,1885.62 1044.08,1885.62 1061.02,1902.56 U1.3
OSC32_OUT: C15.1 U1.4 Y2.2 | length 661.5
  Top Layer w10: C15.1@900.59,1604.83 Y2.2 900.59,1850.39 917.82,1867.62 1065.45,1867.62 1080.71,1882.87 U1.4
OSC_IN: C11.1 U1.5 Y1.1 | length 566.4
  Top Layer w10: U1.5 1100.39,1795.28 Y1.1 1112.2,1546.58 C11.1
OSC_OUT: C12.1 U1.6 Y1.2 | length 905.6
  Top Layer w10: U1.6 1120.08,1886.81 1137.8,1869.09 1468.5,1869.09 1486.22,1851.38 Y1.2 1486.22,1545.77 C12.1
PA1: J3.14 U1.15 | length 1491.1
  Top Layer w10: U1.15 1297.24,2047.76 1350,1995 1388.21,1995 v1(1415,1968.21)
  Bottom Layer w10: v1(1415,1968.21) 1415,1948.46 1396.23,1929.69 1362.76,1929.69 1349,1915.93 1349,1128.36 1360.36,1117 1510.95,1117 1523.43,1104.53 J3.14
PA2: J3.15 U1.16 | length 1597.4
  Top Layer w10: U1.16 1345.72,2105.28 1454,1997 v1(1454,1968.21)
  Bottom Layer w10: v1(1454,1968.21) 1454,1928.41 1436.02,1910.43 1378.94,1910.43 1367,1898.5 1367,1148.75 1380.75,1135 1612.05,1135 1623.43,1123.62 J3.15
PA3: J3.16 U1.17 | length 1608
  Top Layer w10: U1.17 1387.8,2133.86 v1(1552.17,1969.49)
  Bottom Layer w10: v1(1552.17,1969.49) 1552.17,1878.94 1539.09,1865.86 1507.59,1865.86 1494.38,1852.65 1494.38,1252.67 1507.87,1239.17 1709.65,1239.17 1723.43,1225.39 J3.16
PA4: J3.17 U1.20 | length 1928.6
  Top Layer w10: U1.20 1558.8,2236.2 1621,2174 v1(1621,2170)
  Bottom Layer w10: v1(1621,2170) 1621,1861.16 1607.7,1847.86 1525.02,1847.86 1512.38,1835.21 1512.38,1271.09 1526.29,1257.17 1809.76,1257.17 1823.43,1243.5 J3.17
PA5: J3.18 U1.21 | length 2053.6
  Top Layer w10: U1.21 1587.11,2255.89 1646,2197 v1(1646,2195)
  Bottom Layer w10: v1(1646,2195) 1646,1838.91 1631.89,1824.8 1546.26,1824.8 1534.45,1812.99 1534.45,1289.37 1548.65,1275.17 1905.83,1275.17 1923.43,1257.57 J3.18
PA6: J3.19 U1.22 | length 2195.6
  Top Layer w10: U1.22 1620.43,2275.57 1670,2226 v1(1670,2224)
  Bottom Layer w10: v1@1669,2224 v1(1670,2224) 1671,2223 1671,1818.64 1656.5,1804.13 1565.24,1804.13 1552.45,1791.34 1552.45,1308.77 1568.05,1293.17 2012.83,1293.17 2023.43,1282.57 J3.19
PA7: J2.20 U1.23 | length 1760.5
  Top Layer w10: U1.23 1761.83,2295.26 1780.21,2276.87 1780.21,1261.13 1796.65,1244.68 J2.20
PA8: J1.5 U1.41 | length 1143.8
  Top Layer w10: J1.5 1140.16,2744.68 1159.45,2725.39 U1.41
PA9: J1.6 R7.1 U1.42 | length 3492.7
  Top Layer w10: J1.6 206.69,2643.7 452.7,2643.7 471,2662 471,2711 486.68,2726.68 1120.76,2726.68 1139.76,2707.68 U1.42 ; v1(379.09,3682.09) R7.1
  Bottom Layer w10: v1(379,2644) 379.09,2644.09 v1(379.09,3682.09)
PA10: J1.7 R6.2 R8.1 U1.43 | length 3942.1
  Top Layer w10: J1.7 318.68,2544.68 364,2590 v1(440,2590) 473,2590 489,2606 489,2693 504.68,2708.68 1098.43,2708.68 1120.08,2687.03 U1.43 ; v1(440,3637) 2015,3637 2030.03,3652.03 R8.1 ; v1(441.78,2829.22) R6.2
  Bottom Layer w10: v1(440,2590) v1(440,3637)
PA11: J1.8 U1.44 | length 1238.1
  Top Layer w10: J1.8 313.78,2444.68 331,2461.91 331,2519 349,2537 493,2537 508,2552 508,2675 523.68,2690.68 1080.97,2690.68 1100.39,2671.26 U1.44
PA12: J1.9 U1.45 | length 1281.5
  Top Layer w10: J1.9 332.87,2344.68 349.41,2361.22 349.41,2499.95 367.46,2518 512,2518 526,2532 526,2658 540.68,2672.68 1057.09,2672.68 1080.71,2649.06 U1.45
PB0: J2.17 U1.26 | length 1518.9
  Top Layer w10: U1.26 1814.98,2354.31 1834.21,2335.08 1834.21,1561.46 1850.98,1544.68 J2.17
PB1: J2.16 U1.27 | length 1437.7
  Top Layer w10: U1.27 1832.69,2374 1852.21,2354.48 1852.21,1662.55 1870.08,1644.68 J2.16
PB2: J2.15 R15.1 U1.28 | length 2609.9
  Top Layer w10: U1.28 1852.38,2393.68 1870.21,2375.85 1870.21,1762.66 1888.19,1744.68 J2.15 ; R15.1 v1@1966.8,2830.2
  Bottom Layer w10: v1(1967,1745) v1(1967,2830)
PB5: J1.19 U1.57 | length 1695.9
  Top Layer w10: J1.19 532.68,1344.68 549.21,1361.22 549.21,2298.23 565.93,2314.94 U1.57
PB8: J3.6 U1.61 | length 1527
  Top Layer w10: v1(793,2190) 839.2,2236.2 U1.61
  Bottom Layer w10: J3.6 723.43,1201.43 738,1216 779,1216 791,1228 791,2188 v1(793,2190)
PB9: J3.7 U1.62 | length 1430.9
  Top Layer w10: v1(816,2164) 868.52,2216.52 U1.62
  Bottom Layer w10: v1(816,2164) 816,900.14 J3.7
PB10: J2.14 U1.29 | length 1276.6
  Top Layer w10: U1.29 1870.09,2413.37 1888.21,2395.25 1888.21,1864.74 1908.27,1844.68 J2.14
PB11: J2.13 U1.30 | length 1197.2
  Top Layer w10: U1.30 1886.83,2433.06 1906.21,2413.67 1906.21,1961.9 1923.43,1944.68 J2.13
PC0: J3.9 U1.8 | length 1376.9
  Top Layer w10: U1.8 1159.45,1993.1 1195,1957.54 v1(1195,1909)
  Bottom Layer w10: J3.9 1023.43,1152.43 1045,1174 1179,1174 1195,1190 v1(1195,1909)
PC6: J2.8 U1.37 | length 1239.6
  Top Layer w10: U1.37 1238.19,2671.26 1257.02,2690.09 1979.2,2690.09 1997.46,2671.83 1997.46,2463.17 2015.94,2444.68 J2.8
PC7: J2.7 U1.38 | length 1193.5
  Top Layer w10: U1.38 1218.5,2687.99 1238.61,2708.09 1996.63,2708.09 2015.46,2689.26 2015.46,2564.26 2035.04,2544.68 J2.7
PC8: J2.6 U1.39 | length 1152.7
  Top Layer w10: U1.39 1198.82,2706.69 1218.22,2726.09 2017.02,2726.09 2033.46,2709.65 2033.46,2661.42 2050.2,2644.68 J2.6
PC9: J2.5 U1.40 | length 1130.9
  Top Layer w10: U1.40 1179.13,2724.41 1198.82,2744.09 2111.62,2744.09 J2.5@2118.11,2750.59
PC10: J1.13 U1.51 | length 1213.2
  Top Layer w10: J1.13 411.22,1944.68 428.94,1962.4 428.94,2416.14 445.85,2433.06 U1.51
PC11: J1.14 U1.52 | length 1292
  Top Layer w10: J1.14 430.31,1844.68 448.82,1863.19 448.82,2394.68 467.5,2413.37 U1.52
PC12: J1.15 U1.53 | length 1372.5
  Top Layer w10: J1.15 451.38,1744.68 468.5,1761.81 468.5,2374.02 488.17,2393.68 U1.53
PC13: J3.8 U1.2 | length 1303
  Top Layer w10: v1(1026,1962) 1041.34,1977.34 U1.2
  Bottom Layer w10: J3.8 923.43,1148.43 938,1163 1007.54,1163 1027,1182.46 1027,1961 v1(1026,1962)
PD2: J1.16 U1.54 | length 1452.1
  Top Layer w10: J1.16 205.71,1644.99 469.8,1644.99 489.17,1664.37 489.17,2355.31 507.86,2374 U1.54
USART1_RX: J4.4 R8.2 | length 253.6
  Top Layer w10: v1(1895.47,3681.3) R8.2@1965.24,3681.3
  Bottom Layer w10: v1(1895.47,3681.3) J4.4
USART1_TX: J4.3 R7.2 | length 249.7
  Top Layer w10: R7.2@1728.06,3682.87 v1@1795.47,3682.87
  Bottom Layer w10: v1@1795.47,3682.87 J4.3
  other v1: 1795.47,3681.3
pads on no net: J3.20 J8.11 J8.17 J8.19 KEY1.3 KEY1.4 KEY2.3 KEY2.4 KEY3.3 KEY3.4

## Polygon pours and split planes (outlines as drawn)
GND on Bottom Overlay "Bottom Layer-No Net" (solid, remove dead copper): -48,4358 -36,4370 2448,4370

## Keep-outs
Keep-Out Layer:
  circle w5: c140,4150 r62.99
  circle w5: c2200,4150 r62.99
  circle w5: c2170,150 r62.99
  circle w5: c150,150 r62.99
  lines w5: 0,4230.13 0,60 ccw(c59.87,60) 59.87,0.13 ; 0.13,4230.13 cw(c60,4230.13) 60,4290 ; 59.87,0 2260,0 ccw(c2260,59.87) 2319.87,59.87 2319.87,4230 ; 59.87,4290 2260,4290 ; 2260.13,4289.87 cw(c2260.13,4230) 2320,4230

## Silkscreen, mask and mechanical layers (free items; w line width, h text height)
Mechanical 1:
  lines w10: 124.22,4516.19 124.22,5901.19 2194.22,5901.19 2194.22,4516.19 124.22,4516.19
  text "EDA : AD15" at 404.22,5766.19 h60
  text "VER : V1.0.0" at 404.22,5646.19 h60
  text "DATE : 2017-12-15" at 344.22,5526.19 h60
  text "L*W : 109*59mm" at 404.22,5406.19 h60
  text "H : 1.6mm" at 524.22,5286.19 h60
  text "NAME : STM32CoreBoard" at 344.22,5166.19 h60
  text "LAYER : 2" at 284.22,5046.19 h60
  text "STYLE : FR4" at 284.22,4926.19 h60
  text "COLOUR : GREEN" at 224.22,4806.19 h60
  text "CU : 1 OZ" at 464.22,4686.19 h60
  text "DESIGN : PZQ" at 234.22,4566.19 h60

## Text inside footprints (layer, text, board x,y; h text height)
J8: Top Overlay "19" at 49.21,3911.42 h30; Top Overlay "20" at 43.31,3631.89 h30; Top Overlay "1" at 1460.63,3913.39 h30; Top Overlay "2" at 1454.72,3633.86 h30
U1: Top Overlay "48" at 949.29,2535.79 h32; Top Overlay "32" at 1379.29,2492.79 h32; Top Overlay "16" at 1337.29,2085.79 h32